# Altium PCB mainboard.PcbDoc (part 5 of 7) (continued)
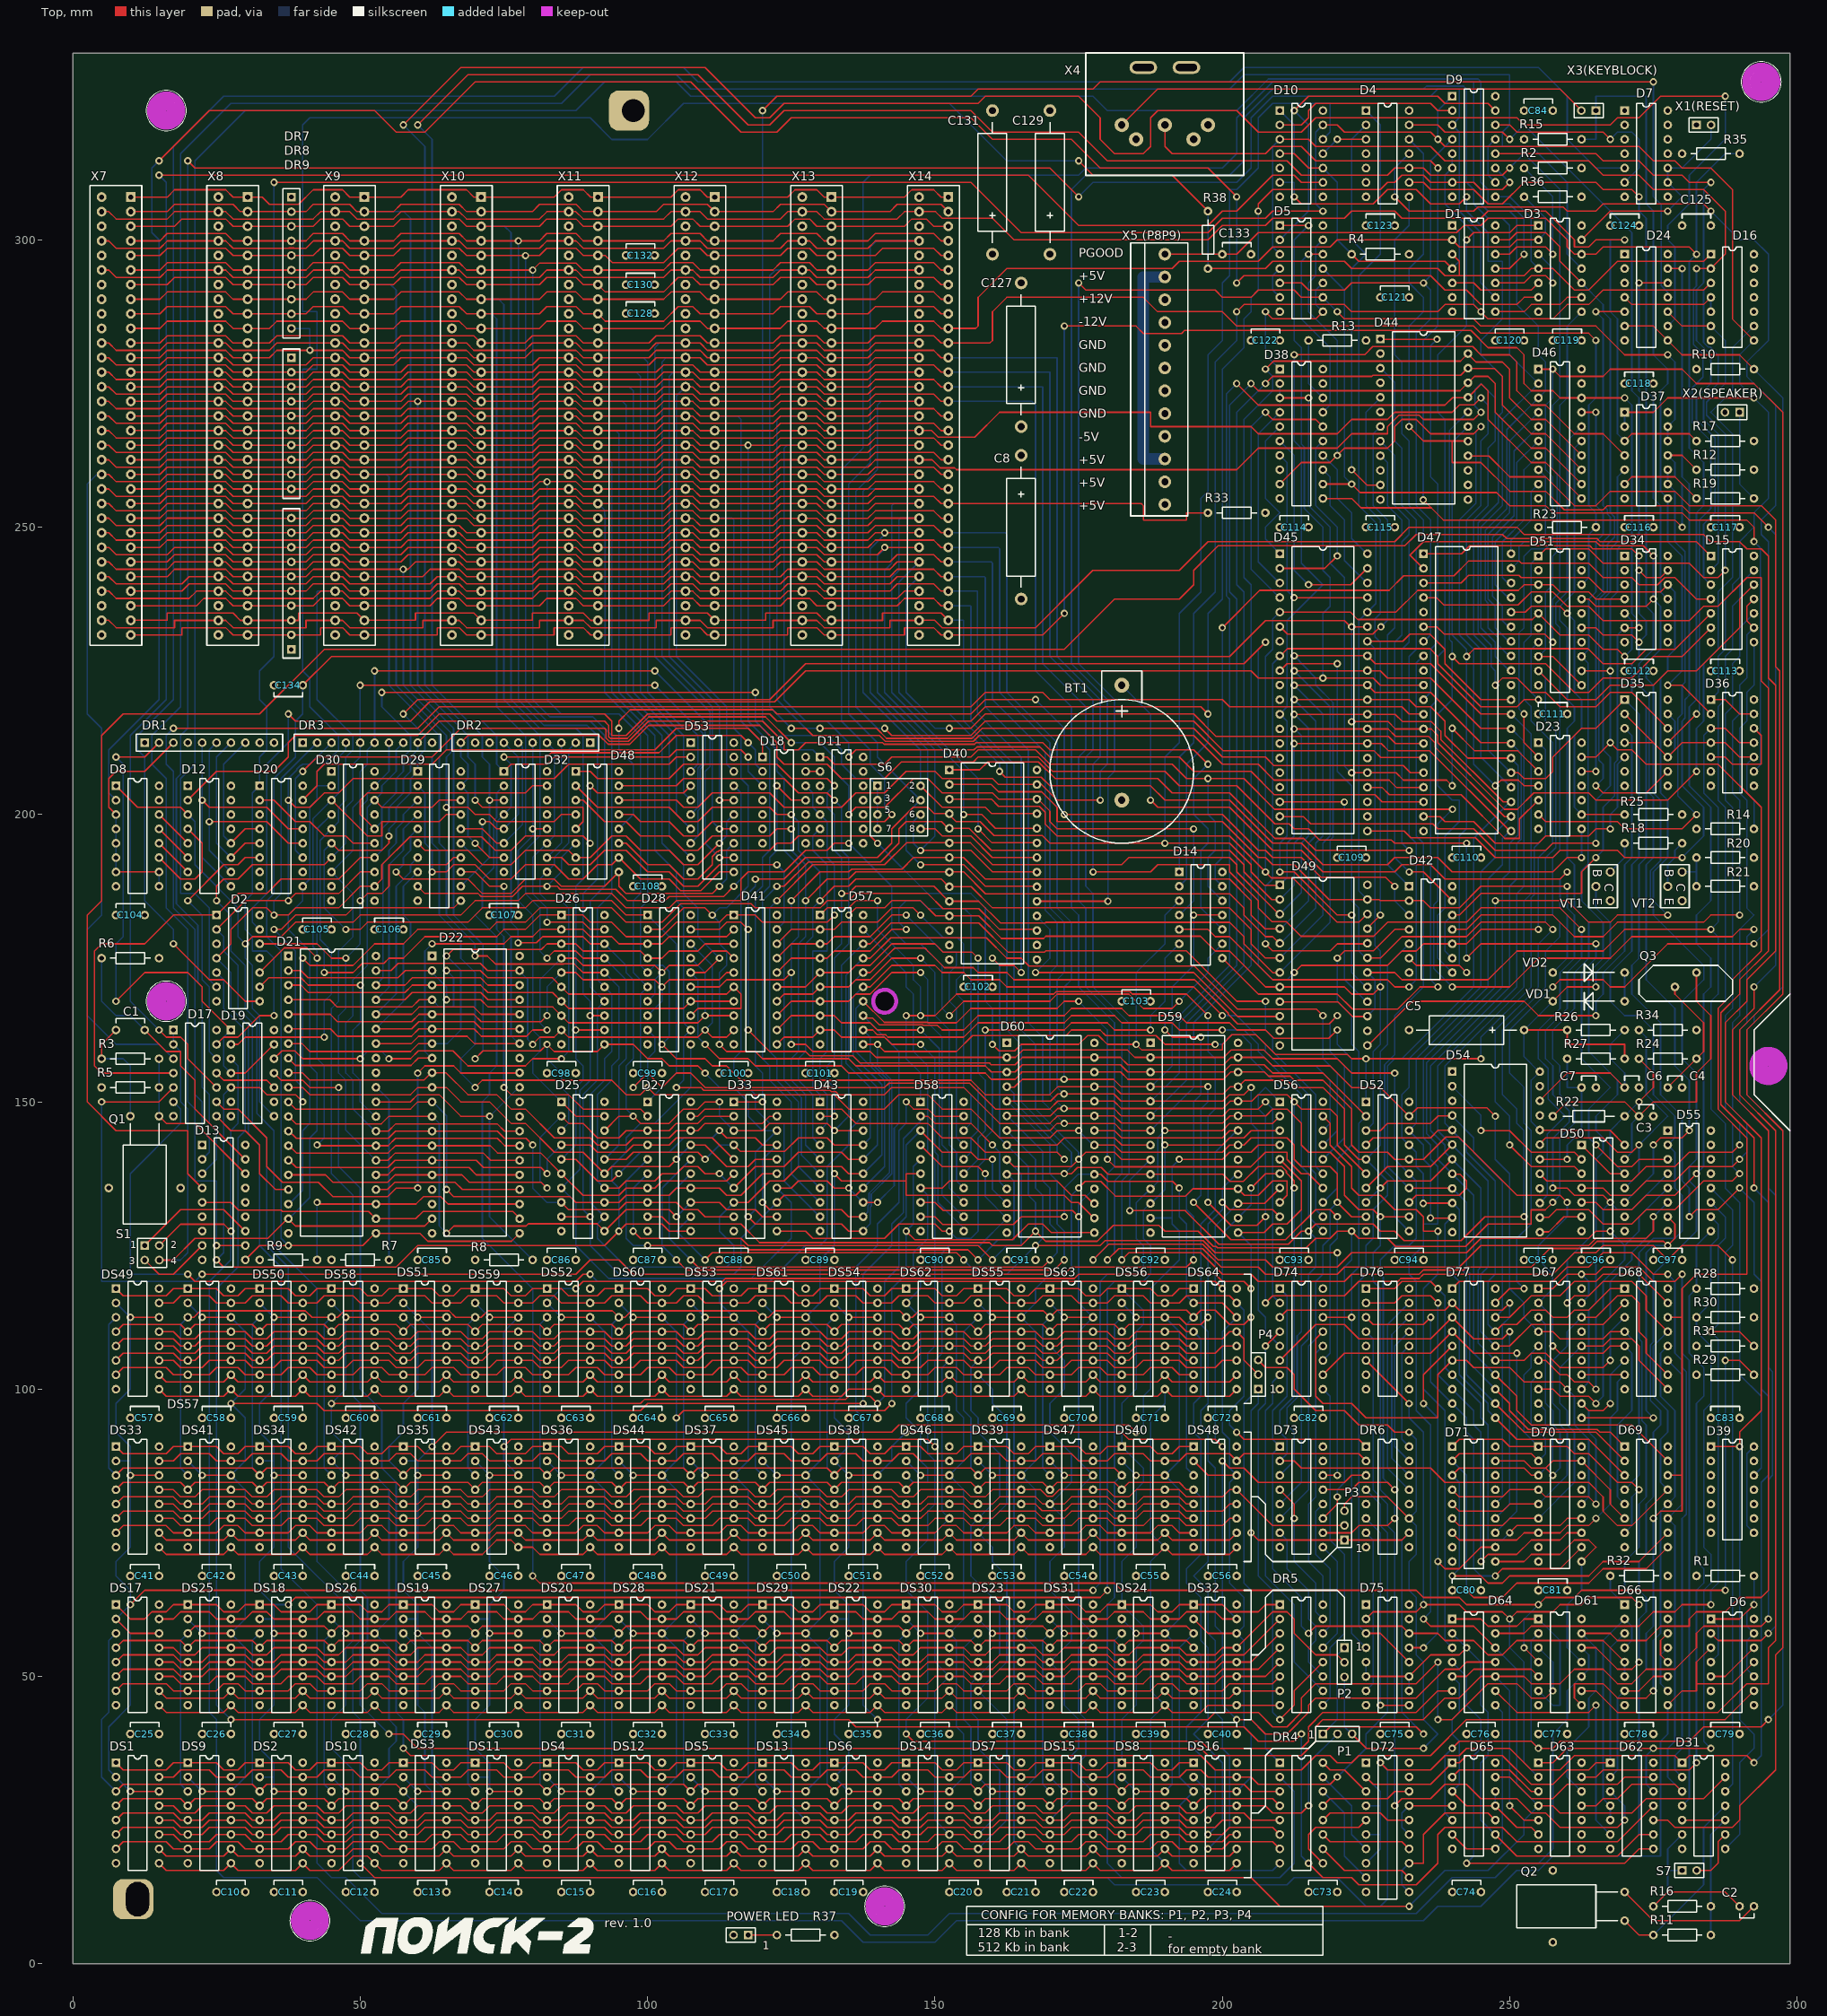
[diagram p0: Top view]
## Nets (pads, with @x,y where several pads share a name; then routed paths per layer and width w, separated by ;. In a path a pad name is that pad's centre, name@x,y a point inside that pad or via, vN(x,y) a via of type N, cw(c..) or ccw(c..) an arc to the next point about the centre after c; other vN are vias at no path point) (continued)
NetD6_1: D6.1 D6.4 D6.10 D6.13 R1.1 | length 36.6
  Top w0.254: D6.1@284.998,60 290,60 v1(292.5,62.5)
  Bottom w0.254: D6.4@284.998,52.5 286.248,53.75 286.248,58.75 D6.1@284.998,60 ; D6.10@292.498,50 291.25,51.25 291.25,56.252 D6.13@292.498,57.5 292.498,57.502 291.25,58.75 291.25,61.25 v1(292.5,62.5) ; v1@292.498,62.502 R1.1@292.498,67.5
NetD6_5: D6.5 D6.12 | length 9.6
  Top w0.254: D6.5@284.998,50 287.498,50 D6.12@292.498,55
NetD6_9: D6.9 D19.11 | length 375.2
  Top w0.254: D19.11@34.998,155 36.248,153.75 40,153.75 41.25,152.5 v1(46.25,152.5) ; v1(57.5,37.5) 58.75,36.25 196.25,36.25 198.75,33.75 213.75,33.75 216.25,36.25 218.75,36.25 220,35 222.5,35 223.75,36.25 236.25,36.25 242.5,42.5 287.5,42.5 D6.9@292.498,47.5
  Bottom w0.254: v1(46.25,152.5) 46.25,138.75 50,135 50,100 53.75,96.25 53.75,86.25 56.25,83.75 56.25,43.75 57.5,42.5 v1(57.5,37.5)
NetD7_6: D7.6 D9.14 | length 35.6
  Top w0.254: D9.14@247.498,320 250,320 251.25,318.75 266.248,318.75 v1(267.498,317.5)
  Bottom w0.254: v1(267.498,317.5) 268.748,318.75 271.25,318.75 272.498,317.502 272.498,312.5 D7.6@269.998,310
NetD8_1: D8.1 D12.3 D14.9 D19.8 | length 284.7
  Top w0.254: D8.1@7.498,205 11.248,201.25 18.748,201.25 D12.3@19.998,200 ; v1(29.998,177.5) 31.248,178.75 36.25,178.75 38.75,181.25 48.75,181.25 50,182.5 67.5,182.5 70,185 77.5,185 78.75,186.25 93.75,186.25 96.25,183.75 103.75,183.75 105,185 116.25,185 116.25,188.75 117.5,190 123.75,190 127.5,193.75 131.25,193.75 132.5,195 v1(134.998,195) ; v1(152.498,165) 154.998,167.5 170,167.5 171.25,168.75 183.75,168.75 186.25,166.25 191.25,166.25 191.25,166.252 v1(192.498,167.5)
  Bottom w0.254: D12.3@19.998,200 21.248,198.75 21.248,191.25 28.748,183.75 28.748,178.75 v1(29.998,177.5) 29.998,175 31.248,173.75 31.248,166.25 32.498,165 32.498,150 D19.8@34.998,147.5 ; v1(134.998,195) 142.498,187.5 142.498,180.002 145,177.5 147.498,177.5 151.248,173.75 151.248,166.25 v1(152.498,165) ; v1(192.498,167.5) 197.498,172.5 197.498,175 D14.9@199.998,177.5
NetD8_3: D8.3 D8.4 D8.5 D8.6 D8.7 D8.9 D8.10 DR1.3 | length 40.6
  Top w0.254: D8.7@7.498,190 D8.10@14.998,190 ; D8.3@7.498,200 6.248,201.25 6.248,206.25 7.498,207.5 12.498,207.5 DR1.3@17.498,212.5
  Bottom w0.254: D8.7@7.498,190 D8.6@7.498,192.5 D8.5@7.498,195 D8.4@7.498,197.5 D8.3@7.498,200 ; D8.9@14.998,187.5 D8.10@14.998,190
NetD8_11: D8.11 D12.4 | length 18.1
  Top w0.254: D8.11@14.998,192.5 18.748,188.75 21.248,188.75 22.498,190 22.498,195 D12.4@19.998,197.5
NetD8_12: D8.12 D12.7 | length 7.1
  Top w0.254: D8.12@14.998,195 D12.7@19.998,190
NetD8_13: D8.13 D12.6 | length 7.1
  Top w0.254: D8.13@14.998,197.5 D12.6@19.998,192.5
NetD8_14: D8.14 D12.5 | length 7.1
  Top w0.254: D8.14@14.998,200 D12.5@19.998,195
NetD9_2: D9.2 D10.2 | length 32.8
  Top w0.254: D10.2@209.998,320 213.748,320 214.998,321.25 214.998,322.5 216.248,323.75 236.248,323.75 237.498,322.5 D9.2@239.998,322.5
NetD9_5: D9.5 D9.6 D14.1 D15.2 D16.3 | length 274.3
  Top w0.254: v1(202.498,287.5) 203.748,288.75 221.248,288.75 222.498,287.5 237.498,287.5 238.748,288.75 243.748,288.75 v1(244.998,287.5) 246.248,286.25 257.498,286.25 259.998,288.75 263.748,288.75 266.248,291.25 283.748,291.25 D16.3@284.998,292.5
  Bottom w0.254: D14.1@192.498,190 192.498,210 194.998,212.5 194.998,235 198.748,238.75 198.748,278.75 202.498,282.5 v1(202.498,287.5) ; D9.5@239.998,315 D9.6@239.998,312.5 238.748,311.25 238.748,306.25 243.748,301.25 243.748,288.75 v1(244.998,287.5) ; D15.2@284.998,242.5 286.248,243.75 286.248,266.25 283.748,268.75 283.748,272.5 286.248,275 286.248,280 284.879,281.369 284.53,281.369 283.748,282.151 283.748,291.25 D16.3@284.998,292.5
NetD9_10: D9.10 D9.13 | length 8.5
  Bottom w0.254: D9.10@247.498,310 246.248,311.25 246.248,316.25 D9.13@247.498,317.5
NetD9_12: D9.12 D15.3 | length 115.4
  Top w0.254: D9.12@247.498,315 265,315 266.25,313.75 272.5,313.75 275,311.25 279.998,311.25 281.248,310 v1(285,310)
  Bottom w0.254: D15.3@284.998,240 283.748,241.25 283.748,250.508 285.74,252.5 285.74,265.508 282.498,268.75 282.498,272.5 284.998,275 284.998,280 282.498,282.5 282.498,291.25 283.748,292.5 283.748,307.5 283.75,307.502 283.75,308.75 v1(285,310)
NetD10_6: D10.6 D35.12 | length 169.5
  Top w0.254: v1(212.498,307.5) 212.5,307.5 213.75,306.25 226.25,306.25 228.75,308.75 233.75,308.75 236.25,306.25 241.25,306.25 v1(242.5,307.5) ; v1(247.5,222.5) 248.774,223.774 251.226,223.774 253.75,221.25 256.25,221.25 258.75,218.75 265,218.75 267.5,221.25 271.25,221.25 277.498,215.002 D35.12@277.498,215
  Bottom w0.254: D10.6@209.998,310 212.498,310 v1(212.498,307.5) ; v1(242.5,307.5) 242.5,305 246.25,301.25 246.25,296.25 248.75,296.25 248.75,286.25 245,282.5 245,280 248.75,276.25 248.75,270 248.006,269.256 248.006,254.256 244.49,250.74 244.49,231.732 246.756,229.466 246.756,225.744 247.5,225 v1(247.5,222.5)
NetD10_9: D10.9 D17.10 | length 379.8
  Top w0.254: v1(14.998,162.5) 16.248,161.25 18.748,161.25 19.998,160 19.998,157.5 D17.10@24.998,152.5 ; v1(15,311.25) 166.248,311.25 174.998,302.5 197.498,302.5 199.998,305 202.498,305 208.748,311.25 212.498,311.25 213.748,310 D10.9@217.498,310
  Bottom w0.254: v1(14.998,162.5) 9.998,167.5 9.998,213.75 16.248,220 16.248,308.75 16.25,308.752 16.25,310 v1(15,311.25)
NetD11_2: D11.2 D18.13 | length 2.5
  Top w0.254: D18.13@127.498,207.5 D11.2@129.998,207.5
NetD11_6: D11.6 D43.1 | length 52.1
  Bottom w0.254: D43.1@129.998,150 129.998,151.25 128.748,152.5 128.748,176.25 131.248,176.25 131.248,191.25 128.748,193.75 128.748,196.25 D11.6@129.998,197.5
NetD12_9: D12.9 D20.13 DR1.5 | length 46.6
  Top w0.254: v1(22.498,202.5) 23.748,201.25 33.75,201.25 37.5,197.5 D20.13@39.998,197.5
  Bottom w0.254: DR1.5@22.498,212.5 22.498,192.5 D12.9@27.498,187.5
NetD12_10: D12.10 D20.12 DR1.6 | length 42.4
  Top w0.254: v1(23.748,198.75) 33.75,198.75 37.5,195 D20.12@39.998,195
  Bottom w0.254: DR1.6@24.998,212.5 23.748,211.25 v1(23.748,198.75) 23.748,193.75 D12.10@27.498,190
NetD12_11: D12.11 D20.5 DR1.7 | length 28.1
  Top w0.254: D12.11@27.498,192.5 29.998,195 D20.5@32.498,195
  Bottom w0.254: D12.11@27.498,192.5 24.998,195 24.998,210 DR1.7@27.498,212.5
NetD12_12: D12.12 D20.4 DR1.8 | length 25.6
  Top w0.254: D12.12@27.498,195 29.998,197.5 D20.4@32.498,197.5
  Bottom w0.254: D12.12@27.498,195 26.248,196.25 26.248,208.75 DR1.8@29.998,212.5
NetD13_4: D13.4 D15.1 | length 392.9
  Top w0.254: D13.4@22.498,135.002 20,137.5 20,145 7.5,145 2.5,150 2.5,182.5 5,185 5,213.75 8.75,217.5 32.5,217.5 43.75,228.75 172.5,228.75 181.25,237.5 192.5,237.5 195,240 195,242.5 199.261,246.761 231.761,246.761 233.75,248.75 248.75,248.75 249.492,248.008 265.21,248.008 265.718,247.5 282.498,247.5 D15.1@284.998,245
NetD13_8: D13.8 S1.3 | length 13.1
  Top w0.254: S1.3@12.538,122.46 14.998,120 17.498,120 D13.8@22.498,125
NetD13_12: D13.12 S1.1 | length 21.6
  Top w0.254: S1.1@12.498,125 18.748,131.25 26.248,131.25 D13.12@29.998,127.5
NetD13_16: D13.16 Q1.1 R3.1 R5.1 | length 29.1
  Top w0.254: Q1.1@14.998,147.5 16.248,146.25 21.25,146.25 29.998,137.502 D13.16@29.998,137.5
  Bottom w0.254: Q1.1@14.998,147.5 R3.1@14.998,157.5
NetD14_10: D14.10 D20.11 | length 217.9
  Top w0.254: v1@40,207.5 42.5,210 62.5,210 67.5,215 92.5,215 92.734,214.766 92.734,213.329 93.329,212.734 96.671,212.734 100.187,216.25 120,216.25 123.75,212.5 123.75,211.25 126.25,211.25 127.5,212.5 140.874,212.5 141.148,212.226 156.879,212.226 157.153,212.5 168.75,212.5 170,211.25 194.998,211.25 v1(197.498,208.75)
  Bottom w0.254: D20.11@39.998,192.5 38.748,193.75 38.748,206.25 v1(39.998,207.5) ; v1(197.498,208.75) 194.998,206.25 194.998,200 197.498,197.5 197.498,195 196.248,193.75 196.248,183.75 D14.10@199.998,180
NetD14_11: D14.11 D17.5 | length 312.6
  Top w0.254: v1(4.998,150) 14.998,150 D17.5@17.498,152.5 ; v1(22.498,120) 87.498,120 89.998,122.5 94.998,122.5 97.498,120 172.498,120 173.748,121.25 193.748,121.25 v1(194.998,122.5) ; v1(189.998,162.5) 191.248,161.25 v1(196.248,161.25) ; v1(194.998,182.5) D14.11@199.998,182.5
  Bottom w0.254: v1(4.998,150) 4.998,118.75 21.248,118.75 v1(22.498,120) ; v1(189.998,162.5) 189.998,165 191.248,166.25 191.248,170 194.998,173.75 v1(194.998,182.5) ; v1(194.998,122.5) 194.998,130 193.748,131.25 193.748,133.75 194.998,135 194.998,150 196.248,151.25 v1(196.248,161.25)
NetD14_13: D14.13 D15.4 | length 139.6
  Top w0.254: v1(199.998,232.5) 206.512,239.014 229.012,239.014 231.552,241.554 240.302,241.554 242.842,244.094 251.714,244.094 252.058,243.75 263.748,243.75 266.248,241.25 271.25,241.25 272.5,240 275.718,240 276.968,241.25 278.748,241.25 282.498,237.5 D15.4@284.998,237.5
  Bottom w0.254: D14.13@199.998,187.5 198.748,188.75 198.748,191.25 199.998,192.5 v1(199.998,232.5)
NetD15_5: D15.5 D42.6 D44.18 | length 156.9
  Top w0.254: D42.6@232.498,175 233.748,173.75 241.248,173.75 v1(242.498,172.5) ; v1(242.498,227.5) 243.852,228.854 263.644,228.854 266.248,226.25 271.248,226.25 273.748,228.75 278.748,228.75 D15.5@284.998,235
  Bottom w0.254: v1(242.498,172.5) 241.248,173.75 241.248,196.25 242.498,197.5 v1(242.498,227.5) 242.498,228.75 239.998,231.25 239.998,264.763 242.498,267.263 D44.18@242.498,267.5
NetD15_6: D15.6 D42.8 D44.19 | length 157.1
  Top w0.254: v1(239.998,227.5) 241.248,226.25 256.248,226.25 261.248,221.25 263.748,221.25 266.248,223.75 271.248,223.75 274.998,227.5 279.998,227.5 D15.6@284.998,232.5
  Bottom w0.254: D42.8@239.998,172.5 237.498,175 237.498,182.5 238.748,183.75 238.748,196.25 241.248,198.75 241.248,202.5 239.998,202.5 237.498,205 237.498,217.5 239.998,220 v1(239.998,227.5) 239.998,230 239.49,230.508 239.49,266.795 242.498,269.803 D44.19@242.498,270
NetD15_8: D15.8 D50.4 | length 125.8
  Top w0.254: D50.4@262.498,135 266.25,135 267.5,133.75 271.25,133.75 273.75,136.25 278.75,136.25 281.25,138.75 288.75,138.75 289.998,139.998 v1(289.998,140)
  Bottom w0.254: v1(289.998,140) 291.248,141.25 291.248,146.25 288.748,148.75 288.748,163.75 289.998,165 289.998,180 292.498,182.5 291.248,183.75 291.248,202.5 289.998,203.75 289.998,215 291.248,216.25 291.248,221.25 292.498,222.5 D15.8@292.498,230
NetD15_9: D15.9 D15.11 D42.11 | length 112.2
  Top w0.254: D42.11@239.998,180 242.498,180 244.998,182.5 257.498,182.5 261.248,178.75 266.248,178.75 268.748,181.25 283.748,181.25 284.998,182.5 v1(289.998,182.5) ; D15.9@292.498,232.5 291.248,233.75 291.248,236.25 D15.11@292.498,237.5
  Bottom w0.254: v1(289.998,182.5) 289.998,202.5 288.748,203.75 288.748,216.25 289.998,217.5 289.998,222.5 291.248,223.75 291.248,231.25 D15.9@292.498,232.5
NetD15_10: D15.10 D54.17 | length 134.7
  Top w0.254: D54.17@254.998,137.5 255.184,137.5 256.434,136.25 271.25,136.25 273.75,138.75 278.75,138.75 281.25,141.25 288.75,141.25 289.998,142.498 v1(289.998,142.5)
  Bottom w0.254: v1(289.998,142.5) 289.998,146.25 287.498,148.75 287.498,165 288.748,166.25 288.748,201.25 287.498,202.5 287.498,217.5 288.748,218.75 288.748,226.25 289.998,227.5 289.998,232.5 D15.10@292.498,235
NetD15_13: D15.13 D54.14 | length 150.4
  Top w0.254: D54.14@254.998,130 255.077,129.921 256.794,129.921 258.123,131.25 263.75,131.25 266.25,128.75 271.25,128.75 273.75,131.25 278.75,131.25 283.75,136.25 288.748,136.25 v1(289.998,137.5)
  Bottom w0.254: v1(289.998,137.5) 288.748,138.75 288.748,146.25 286.248,148.75 286.248,166.25 287.498,167.5 287.498,201.25 286.248,202.5 286.248,218.75 287.498,220 287.498,227.5 288.748,228.75 288.748,236.25 289.998,237.5 289.998,240 D15.13@292.498,242.5
NetD17_8: D17.8 D21.17 | length 20.8
  Top w0.254: D17.8@24.998,147.5 27.498,145 29.998,145 32.498,142.5 32.498,137.5 35.251,134.747 37.245,134.747 D21.17@37.498,135
NetD17_9: D17.9 D22.32 | length 83.9
  Top w0.254: D17.9@24.998,150 25,150 26.25,148.75 28.75,148.75 33.75,143.75 33.75,138.75 36.483,136.017 42.733,136.017 45.273,133.477 54.727,133.477 56.25,135 v1(59.998,135) ; v1(59.998,155) 61.248,156.25 66.248,156.25 67.498,155 D22.32@77.498,155
  Bottom w0.254: v1(59.998,135) v1(59.998,155)
NetD17_11: D17.11 D19.10 | length 11
  Top w0.254: D17.11@24.998,155 26.248,153.75 33.748,153.75 D19.10@34.998,152.5
NetD17_12: D17.12 D20.6 | length 45.2
  Top w0.254: v1(19.998,185) 26.248,191.25 28.75,191.25 30,192.5 D20.6@32.498,192.5
  Bottom w0.254: v1(19.998,185) 22.498,182.5 22.498,171.25 23.748,170 23.748,158.75 D17.12@24.998,157.5
NetD18_1: D18.1 D20.15 | length 90.2
  Top w0.254: D20.15@39.998,202.5 42.498,205 42.498,207.5 43.748,208.75 62.498,208.75 64.998,211.25 101.248,211.25 104.998,215 117.498,215 119.998,212.5 D18.1@119.998,210
NetD21_23: D21.23 D22.23 R9.2 | length 46.3
  Top w0.254: v1(42.498,132.5) 42.791,132.207 59.705,132.207 60.975,133.477 64.021,133.477 65.291,132.207 77.205,132.207 D22.23@77.498,132.5
  Bottom w0.254: R9.2@42.498,122.5 v1(42.498,132.5)
NetD21_30: D21.30 D22.31 R8.2 | length 57.3
  Top w0.254: D21.30@52.498,150 52.511,149.987 58.737,149.987 60,151.25 63.75,151.25 67.5,147.5 v1(72.498,147.5)
  Bottom w0.254: D22.31@77.498,152.5 77.498,152.428 72.498,147.428 72.498,130 R8.2@79.998,122.5
NetD21_31: D21.31 R7.2 | length 31.2
  Bottom w0.254: D21.31@52.498,152.5 52.859,152.5 54.998,150.361 R7.2@54.998,122.5
NetD23_6: D23.6 D37.9 D37.10 | length 92.7
  Top w0.254: D23.6@254.998,200 256.248,198.75 268.748,198.75 269.998,197.5 279.998,197.5 v1(282.498,200)
  Bottom w0.254: D37.10@277.498,260 D37.9@277.498,257.5 278.748,256.25 278.748,247.5 280.506,245.742 280.506,223.008 279.998,222.5 279.998,217.5 279.256,216.758 279.256,203.242 v1(282.498,200)
NetD23_12: D23.12 D24.5 | length 89.6
  Top w0.254: D23.12@262.498,207.5 v1(264.998,207.5) ; v1(264.998,287.5) D24.5@269.998,287.5
  Bottom w0.254: v1(264.998,207.5) 264.998,237.687 266.248,238.937 266.248,247.5 267.498,248.75 267.498,251.782 266.99,252.29 266.99,253.008 266.248,253.75 266.248,286.25 v1(264.998,287.5)
NetD24_11: D24.11 S6.1 S6.3 S6.5 S6.7 | length 335.5
  Top w0.254: v1(120,322.5) 122.5,325 156.248,325 157.498,326.25 177.498,326.25 178.748,327.5 v1(274.998,327.5)
  Bottom w0.254: v1(120,322.5) 120,216.252 119.998,216.25 122.498,213.75 131.248,213.75 133.748,211.25 133.748,208.75 136.248,206.25 138.748,206.25 S6.1@139.998,205 S6.3@139.998,202.5 S6.5@139.998,200 S6.7@139.998,197.5 ; v1(274.998,327.5) 274.998,307.5 276.367,306.131 276.367,292.032 277.498,290.901 D24.11@277.498,290
NetD24_12: D24.12 D50.10 | length 178.6
  Top w0.254: v1(272.5,292.5) D24.12@277.498,292.5 ; v1(274.998,142.5) 275,142.5 276.25,143.75 280,143.75 v1(281.25,145)
  Bottom w0.254: D50.10@269.998,132.5 274.998,137.5 v1(274.998,142.5) ; v1(272.5,292.5) 272.5,273.75 273.75,272.5 273.75,236.25 275,235 275,228.75 272.5,226.25 272.5,222.5 274.258,220.742 274.258,203.75 275,203.008 275,192.5 273.75,191.25 273.75,171.25 278.75,166.25 278.75,156.25 281.25,153.75 v1(281.25,145)
NetD31_2: D31.2 D77.1 | length 131.8
  Top w0.254: D77.1@239.998,117.5 240,117.5 241.25,118.75 257.5,118.75 260,121.25 263.75,121.25 266.25,123.75 271.25,123.75 275,120 v1(277.5,120)
  Bottom w0.254: v1(277.5,120) 278.75,118.75 278.75,106.25 280,105 280,103.75 280.742,103.008 280.742,78.242 280,77.5 280,37.5 278.75,36.25 278.75,33.75 279.998,32.502 D31.2@279.998,32.5
NetD31_3: D31.3 D63.11 D68.11 D69.11 | length 98.7
  Top w0.254: D63.11@262.498,27.5 264.998,27.5 266.248,28.75 268.75,28.75 271.25,31.25 278.748,31.25 D31.3@279.998,30
  Bottom w0.254: D69.11@277.498,77.5 D69.11@277.498,77.5 278.75,76.25 278.75,38.75 277.5,37.5 277.5,32.5 D31.3@279.998,30 ; D69.11@277.498,77.502 279.998,80.002 279.998,102.5 D68.11@277.498,105
NetD31_4: D31.4 D67.1 D67.19 | length 127.7
  Top w0.254: D67.1@254.998,117.5 257.5,117.5 260,120 v1(262.5,120) 265,120 266.25,121.25 272.5,121.25 275,118.75 278.75,118.75 v1(280,120)
  Bottom w0.254: D67.19@262.498,115 262.5,115 263.75,116.25 263.75,118.75 v1(262.5,120) ; D31.4@279.998,27.5 281.248,28.75 281.25,28.75 281.25,105 280,106.25 v1(280,120)
NetD31_5: D31.5 D31.10 R11.2 R16.1 | length 28.5
  Top w0.254: D31.5@279.998,25 D31.10@287.498,25
  Bottom w0.254: R11.2@284.998,5 R16.1@284.998,10 284.998,22.5 D31.10@287.498,25
NetD31_9: D31.9 S7.2 | length 9.7
  Top w0.254: S7.2@282.538,16.25 284.998,16.25 286.248,17.5 286.248,21.25 D31.9@287.498,22.5
NetD31_11: D31.11 Q2.1 R11.1 | length 33.7
  Top w0.254: Q2.1@269.998,7.5 272.498,5 R11.1@274.998,5
  Bottom w0.254: R11.1@274.998,5 283.748,13.75 283.748,23.75 D31.11@287.498,27.5
NetD32_10: D32.10 D41.19 DR2.3 | length 79
  Top w0.254: D32.10@82.498,192.5 85,192.5 86.25,191.25 90,191.25 92.5,193.75 96.25,193.75 100,190 103.75,190 106.25,187.5 108.75,187.5 112.5,191.25 v1(122.5,191.25)
  Bottom w0.254: D32.10@82.498,192.5 84.998,195 DR2.3@84.998,212.5 ; D41.19@122.498,180 122.5,180 123.75,181.25 123.75,190 v1(122.5,191.25)
NetD36_5: D36.5 D36.12 | length 16
  Top w0.254: D36.5@284.998,210 287.498,210 288.748,208.75 293.75,208.75 293.75,213.748 D36.12@292.498,215
NetD37_6: D37.6 R19.1 | length 14.6
  Top w0.254: D37.6@269.998,257.5 271.248,258.75 278.748,258.75 R19.1@282.498,255
NetD38_18: D38.18 R13.2 | length 11
  Bottom w0.254: R13.2@214.998,282.5 214.998,275.002 217.498,272.502 D38.18@217.498,272.5
NetD39_8: D39.8 D39.14 | length 16
  Bottom w0.254: D39.8@292.498,75 291.25,76.248 291.25,88.75 292.498,89.998 D39.14@292.498,90
NetD50_1: D50.1 D50.12 R22.2 R24.2 | length 34.8
  Top w0.254: D50.1@262.498,142.5 267.498,137.5 D50.12@269.998,137.5 ; v1(272.5,150) 275,152.5 275,155 R24.2@272.5,157.5
  Bottom w0.254: D50.12@269.998,137.5 267.498,140 267.498,145 R22.2@269.998,147.5 272.498,150 v1(272.5,150)
NetD50_2: D50.2 D54.2 | length 29.3
  Top w0.254: v1(244.998,145) 249.998,145 253.748,141.25 261.248,141.25 D50.2@262.498,140
  Bottom w0.254: D54.2@239.998,152.5 240.184,152.5 244.998,147.686 v1(244.998,145)
NetD50_6: D50.6 D54.13 | length 8.6
  Top w0.254: D54.13@254.998,127.5 255.117,127.381 256.794,127.381 259.413,130 D50.6@262.498,130
NetD61_1: D61.1 D61.6 D64.1 | length 37.4
  Top w0.254: D64.1@239.998,60 245,60 246.25,58.75 251.25,58.75 252.5,60 D61.1@254.998,60
  Bottom w0.254: D61.6@254.998,47.5 257.498,45 258.75,45 258.75,56.25 255,60 D61.1@254.998,60
NetD61_8: D61.8 D68.12 D69.12 | length 82.7
  Top w0.254: D61.8@262.498,45 261.25,46.248 261.25,48.75 266.25,48.75 268.75,46.25 273.75,46.25 v1(275,47.5) ; D69.12@277.498,79.998 D69.12@277.498,80
  Bottom w0.254: v1(275,47.5) 275,56.25 276.25,57.5 276.25,78.75 277.498,79.998 D69.12@277.498,80 278.748,81.25 278.748,96.25 276.248,98.75 276.248,106.25 D68.12@277.498,107.5
NetD62_2: D62.2 D66.7 D66.11 | length 24.6
  Top w0.254: D66.7@269.998,47.5 272.498,47.5 274.998,50 D66.11@277.498,50
  Bottom w0.254: D62.2@267.498,32.5 268.75,33.75 268.75,46.252 D66.7@269.998,47.5
NetD62_4: D62.4 D62.5 D66.2 D66.4 | length 43.1
  Bottom w0.254: D62.5@267.498,25 D62.4@267.498,27.5 267.498,27.502 266.25,28.75 266.25,56.25 D66.2@269.998,59.998 ; D66.4@269.998,55 271.25,56.252 271.25,58.75 270,60 D66.2@269.998,60
NetD62_6: D62.6 D64.9 | length 43.1
  Top w0.254: D64.9@247.498,47.5 D64.9@247.498,47.5 251.25,43.75 263.75,43.75 v1(265,45)
  Bottom w0.254: v1(265,45) 265,25 D62.6@267.498,22.502
NetD62_8: D62.8 D64.4 | length 71.6
  Top w0.254: v1(242.5,17.5) 270,17.5 272.5,20 D62.8@274.998,20
  Bottom w0.254: D64.4@239.998,52.5 242.498,50 242.498,45.002 245,42.5 245,37.5 243.75,36.25 243.75,18.75 v1(242.5,17.5)
NetD62_13: D62.13 D65.13 | length 30.6
  Top w0.254: D65.13@247.498,32.5 250,32.5 253.75,28.75 257.5,28.75 260,31.25 268.75,31.25 270,32.5 D62.13@274.998,32.5
NetD63_3: D63.3 D65.2 | length 17.1
  Top w0.254: D65.2@239.998,32.5 241.248,33.75 249.998,33.75 253.748,30 D63.3@254.998,30
NetD64_8: D64.8 D65.6 D65.8 | length 34.6
  Top w0.254: D65.6@239.998,22.5 242.498,20 D65.8@247.498,20
  Bottom w0.254: D65.8@247.498,20 248.748,21.25 248.748,43.75 D64.8@247.498,45
NetD66_1: D66.1 R32.1 | length 6
  Bottom w0.254: R32.1@267.498,67.5 267.498,65.002 269.998,62.502 D66.1@269.998,62.5
NetD66_10: D66.10 D66.13 | length 8.5
  Bottom w0.254: D66.10@277.498,47.5 277.498,47.502 276.25,48.75 276.25,53.752 D66.13@277.498,55
NetD66_12: D66.12 D66.14 | length 6
  Top w0.254: D66.12@277.498,52.5 276.25,53.748 276.25,56.25 D66.14@277.498,57.5 D66.14@277.498,57.5
  Bottom w0.254: D66.14@277.498,57.5 D66.14@277.498,57.5
NetD72_3: D72.3 DR4.16 | length 9.6
  Top w0.254: DR4.16@217.498,35 DR4.16@217.498,35 218.75,33.75 221.248,33.75 D72.3@224.998,30
NetD72_5: D72.5 DR4.9 | length 17.1
  Top w0.254: DR4.9@217.498,17.5 214.998,20 214.998,22.5 216.248,23.75 223.748,23.75 D72.5@224.998,25
NetD72_7: D72.7 DR4.15 | length 15.6
  Bottom w0.254: DR4.15@217.498,32.5 222.498,27.5 222.498,22.5 D72.7@224.998,20
NetD72_9: D72.9 DR4.14 | length 18.1
  Bottom w0.254: DR4.14@217.498,30 221.248,26.25 221.248,18.75 D72.9@224.998,15
NetD72_12: D72.12 DR4.10 | length 17.1
  Top w0.254: DR4.10@217.498,20 221.248,16.25 231.248,16.25 D72.12@232.498,15
NetD72_14: D72.14 DR4.11 | length 16
  Top w0.254: DR4.11@217.498,22.5 218.748,21.25 231.248,21.25 D72.14@232.498,20
NetD72_16: D72.16 DR4.12 | length 16
  Top w0.254: DR4.12@217.498,25 DR4.12@217.498,25 218.75,26.25 227.5,26.25 228.75,25 D72.16@232.498,25
NetD72_18: D72.18 DR4.13 | length 16
  Top w0.254: DR4.13@217.498,27.5 218.748,28.75 228.75,28.75 230,30 D72.18@232.498,30
NetD73_4: D73.4 DR5.15 | length 25.6
  Top w0.254: D73.4@209.998,82.5 211.248,81.25 211.25,81.25 212.5,80 v1(212.5,77.5)
  Bottom w0.254: v1(212.5,77.5) 212.5,70 216.25,66.25 216.25,61.25 DR5.15@217.498,60 DR5.15@217.498,60
NetD73_7: D73.7 DR5.11 | length 29.1
  Bottom w0.254: D73.7@209.998,75 211.248,73.75 211.248,68.75 214.998,65 214.998,60 216.248,58.75 216.248,56.25 214.998,55 214.998,52.5 DR5.11@217.498,50
NetD73_9: D73.9 DR5.13 | length 19.6
  Bottom w0.254: DR5.13@217.498,55 219.998,57.5 219.998,70 D73.9@217.498,72.5
NetD73_12: D73.12 DR5.14 | length 24.6
  Bottom w0.254: DR5.14@217.498,57.5 DR5.14@217.498,57.5 218.75,58.75 218.75,68.75 216.25,71.25 216.25,78.752 D73.12@217.498,80
NetD74_4: D74.4 DR5.12 | length 83.7
  Top w0.254: v1(207.498,107.5) D74.4@209.998,110 ; v1(209.998,42.5) 212.498,45 212.498,47.5 DR5.12@217.498,52.5
  Bottom w0.254: v1(207.498,107.5) 207.498,97.5 206.248,96.25 206.248,67.5 208.748,65 208.748,43.75 v1(209.998,42.5)
NetD74_7: D74.7 DR5.10 | length 60.2
  Bottom w0.254: D74.7@209.998,102.5 208.748,101.25 208.748,97.5 207.498,96.25 207.498,67.5 212.498,62.5 212.498,52.5 DR5.10@217.498,47.5
NetD74_9: D74.9 DR5.9 | length 58.1
  Bottom w0.254: DR5.9@217.498,45 218.748,46.25 218.748,55 221.248,57.5 221.248,71.25 218.748,73.75 218.748,98.75 D74.9@217.498,100
NetD74_12: D74.12 DR5.16 | length 47.1
  Bottom w0.254: DR5.16@217.498,62.5 217.498,67.502 215,70 215,80 216.25,81.25 216.25,106.252 D74.12@217.498,107.5
NetD75_7: D75.7 DR6.7 | length 28.5
  Bottom w0.254: D75.7@224.998,47.5 226.248,48.75 226.248,73.75 DR6.7@224.998,75
NetD75_9: D75.9 DR6.6 | length 38.5
  Top w0.254: v1(227.498,45) D75.9@232.498,45
  Bottom w0.254: DR6.6@224.998,77.5 227.498,75 v1(227.498,45)
NetD76_12: D76.12 DR6.16 | length 18.5
  Bottom w0.254: DR6.16@232.498,90 231.25,91.248 231.25,106.25 D76.12@232.498,107.5 D76.12@232.498,107.5
NetD76_13: D76.13 DR6.15 | length 24.6
  Bottom w0.254: DR6.15@232.498,87.502 230,90 230,107.5 232.498,109.998 D76.13@232.498,110
NetD76_14: D76.14 DR6.14 | length 30
  Bottom w0.254: DR6.14@232.498,85 229.492,88.006 229.492,109.494 D76.14@232.498,112.5
NetD76_15: D76.15 DR6.13 | length 35.6
  Bottom w0.254: DR6.13@232.498,82.5 228.75,86.248 228.75,111.25 232.498,114.998 D76.15@232.498,115
NetDS1_13: DS1.13 DS2.13 DS3.13 DS4.13 DS5.13 DS6.13 DS7.13 DS8.13 DS9.13 DS10.13 DS11.13 DS12.13 DS13.13 DS14.13 DS15.13 DS16.13 P1.2 | length 231.2
  Top w0.254: DS1.13@14.998,27.5 17.498,27.5 18.748,26.25 21.248,26.25 22.498,27.5 DS9.13@27.498,27.5 29.998,27.5 31.248,26.25 33.748,26.25 34.998,27.5 DS2.13@39.998,27.5 42.498,27.5 43.748,26.25 46.248,26.25 47.498,27.5 DS10.13@52.498,27.5 54.998,27.5 56.248,26.25 58.748,26.25 59.998,27.5 DS3.13@64.998,27.5 67.498,27.5 68.748,26.25 71.248,26.25 72.498,27.5 DS11.13@77.498,27.5 79.998,27.5 81.248,26.25 83.748,26.25 84.998,27.5 DS4.13@89.998,27.5 92.498,27.5 93.748,26.25 96.248,26.25 97.498,27.5 DS12.13@102.498,27.5 104.998,27.5 106.248,26.25 108.748,26.25 109.998,27.5 DS5.13@114.998,27.5 117.498,27.5 118.748,26.25 121.248,26.25 122.498,27.5 DS13.13@127.498,27.5 129.998,27.5 131.248,26.25 133.748,26.25 134.998,27.5 DS6.13@139.998,27.5 142.498,27.5 143.748,26.25 146.248,26.25 147.498,27.5 DS14.13@152.498,27.5 154.998,27.5 156.248,26.25 158.748,26.25 159.998,27.5 DS7.13@164.998,27.5 167.498,27.5 168.748,26.25 171.248,26.25 172.498,27.5 DS15.13@177.498,27.5 179.998,27.5 181.248,26.25 183.748,26.25 184.998,27.5 DS8.13@189.998,27.5 192.498,27.5 193.748,26.25 196.248,26.25 197.498,27.5 DS16.13@202.498,27.5 207.498,27.5 208.748,26.25 213.748,26.25 v1(214.998,27.5)
  Bottom w0.254: v1(214.998,27.5) 214.998,34.96 P1.2@220.038,40
NetDS17_13: DS17.13 DS18.13 DS19.13 DS20.13 DS21.13 DS22.13 DS23.13 DS24.13 DS25.13 DS26.13 DS27.13 DS28.13 DS29.13 DS30.13 DS31.13 DS32.13 P2.2 | length 229.5
  Top w0.254: DS17.13@14.998,55 17.498,55 18.748,53.75 21.248,53.75 22.498,55 DS25.13@27.498,55 29.998,55 31.248,53.75 33.748,53.75 34.998,55 DS18.13@39.998,55 42.498,55 43.748,53.75 46.248,53.75 47.498,55 DS26.13@52.498,55 54.998,55 56.248,53.75 58.748,53.75 59.998,55 DS19.13@64.998,55 67.498,55 68.748,53.75 71.248,53.75 72.498,55 DS27.13@77.498,55 79.998,55 81.248,53.75 83.748,53.75 84.998,55 DS20.13@89.998,55 92.498,55 93.748,53.75 96.248,53.75 97.498,55 DS28.13@102.498,55 104.998,55 106.248,53.75 108.748,53.75 109.998,55 DS21.13@114.998,55 117.498,55 118.748,53.75 121.248,53.75 122.498,55 DS29.13@127.498,55 129.998,55 131.248,53.75 133.748,53.75 134.998,55 DS22.13@139.998,55 142.498,55 143.748,53.75 146.248,53.75 147.498,55 DS30.13@152.498,55 154.998,55 156.248,53.75 158.748,53.75 159.998,55 DS23.13@164.998,55 167.498,55 168.748,53.75 171.248,53.75 172.498,55 DS31.13@177.498,55 179.998,55 181.248,53.75 183.748,53.75 184.998,55 DS24.13@189.998,55 192.498,55 193.748,53.75 198.748,53.75 199.998,55 DS32.13@202.498,55 208.748,61.25 211.248,61.25 212.498,60 212.498,57.5 216.248,53.75 219.958,53.75 P2.2@221.248,52.46